# KiCad board main_VCO_board.kicad_pcb
title: Josh Ox Ribbon Synth Main VCO board; date: 2022-06-20; rev: 0; note: creativecommons.org/licences/by/4.0; note: licence: CC by 4.0; note: Author: Jordan Aceto
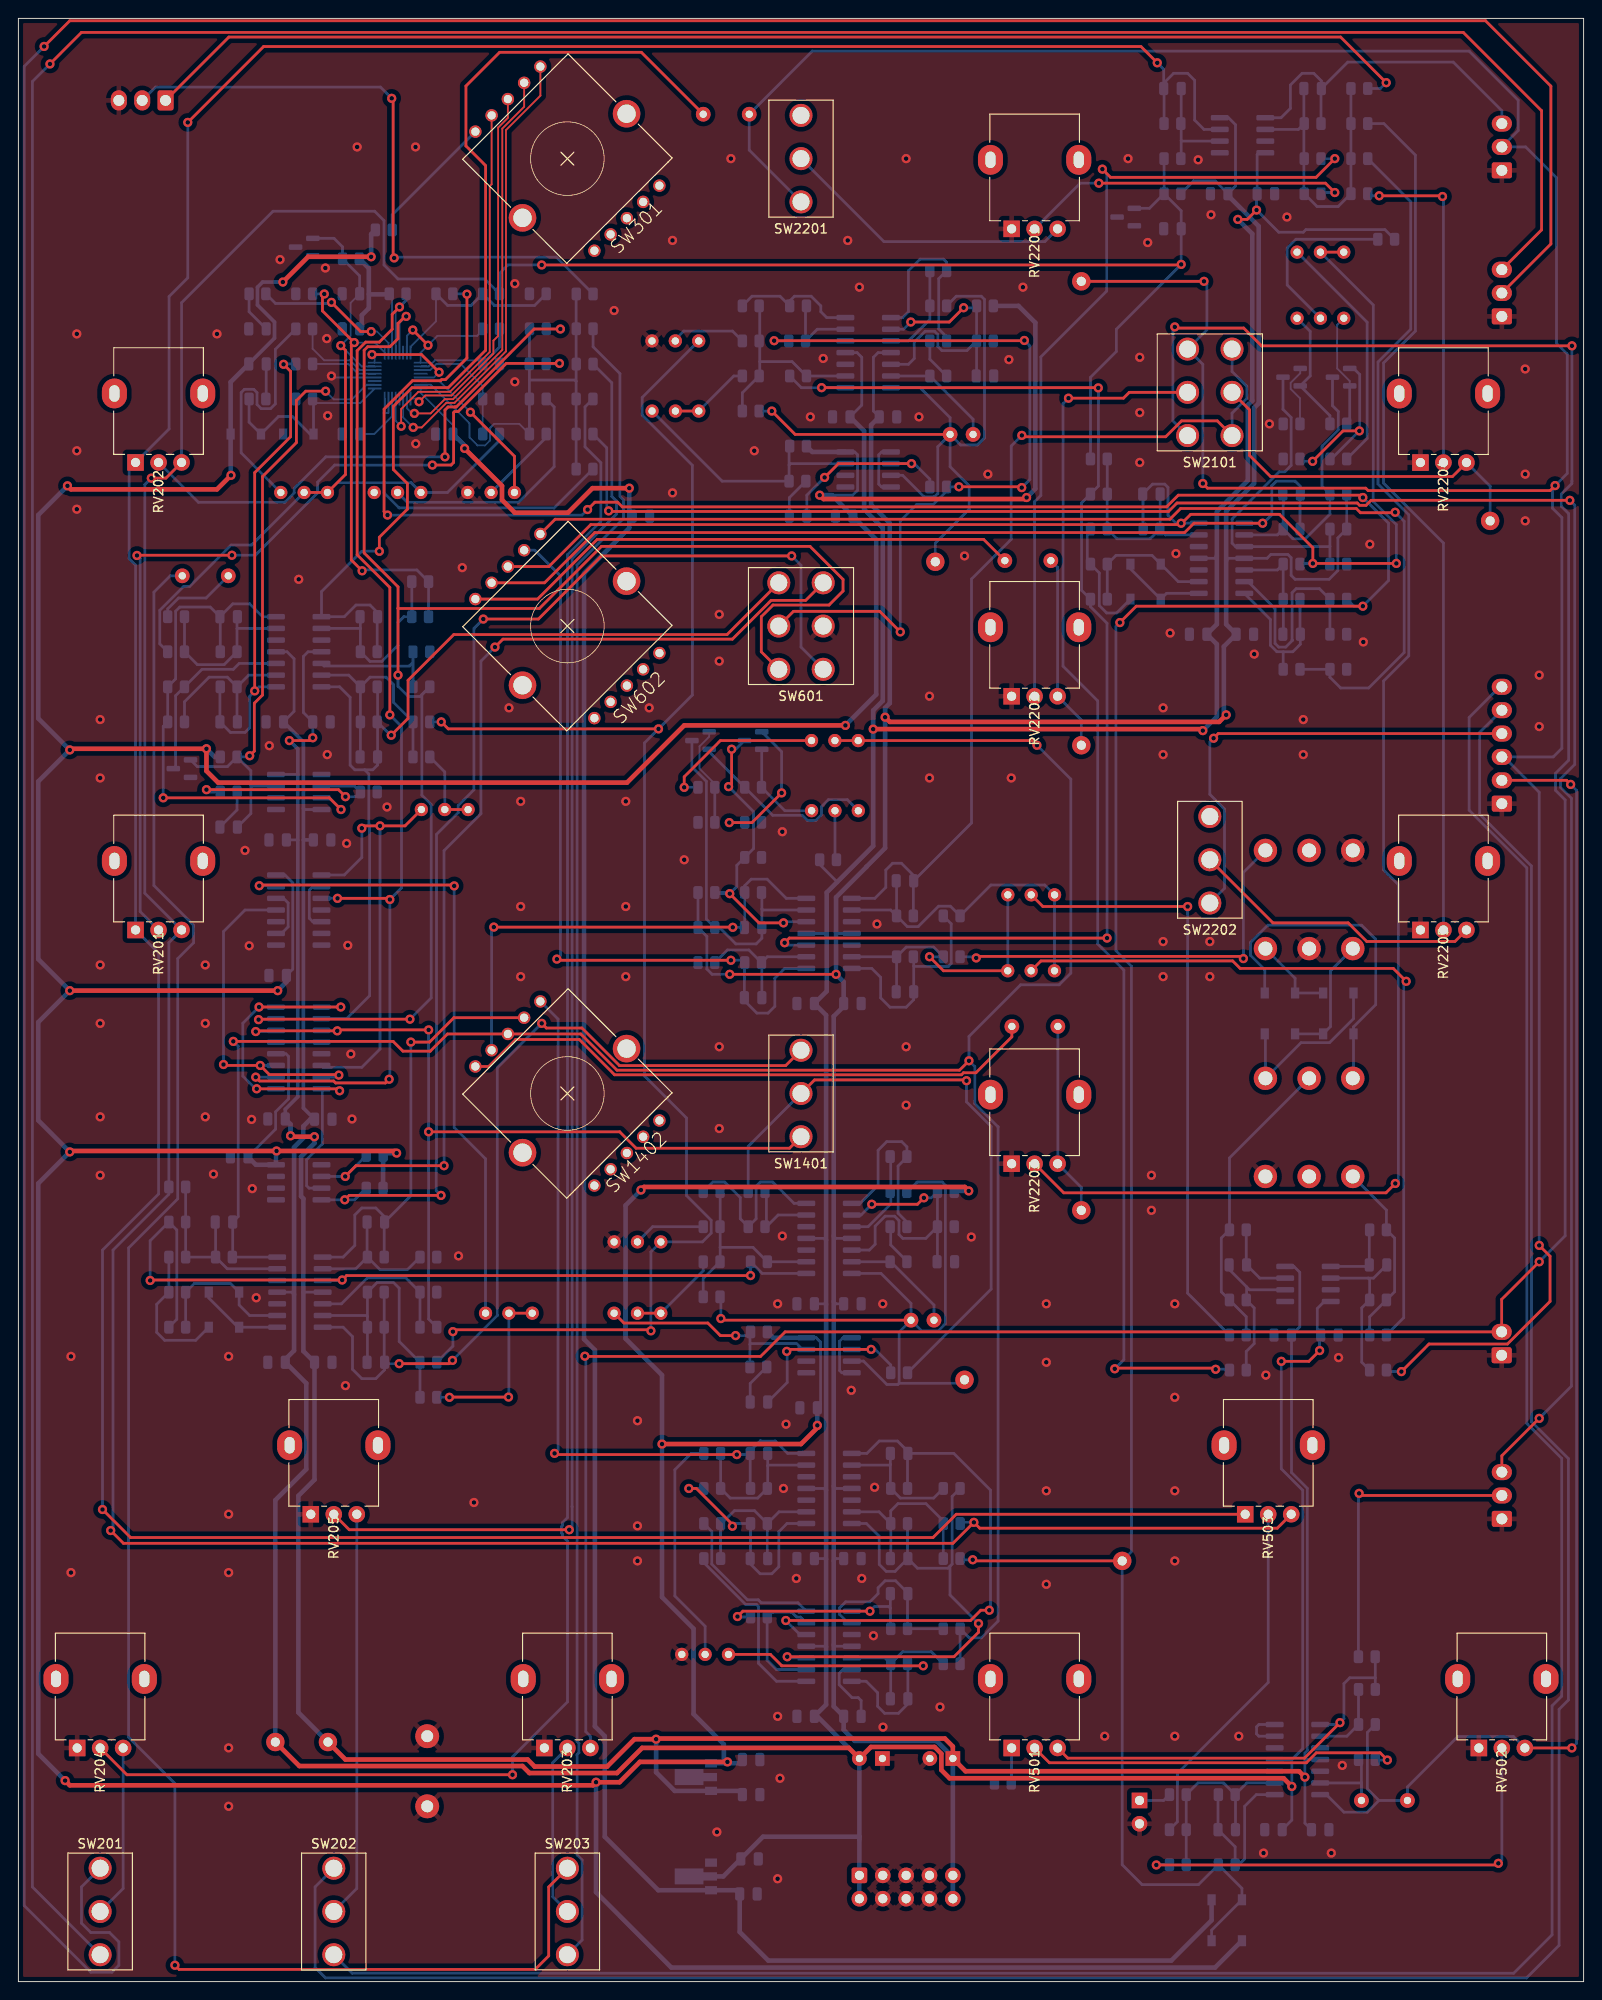
[diagram p0: board, top side]
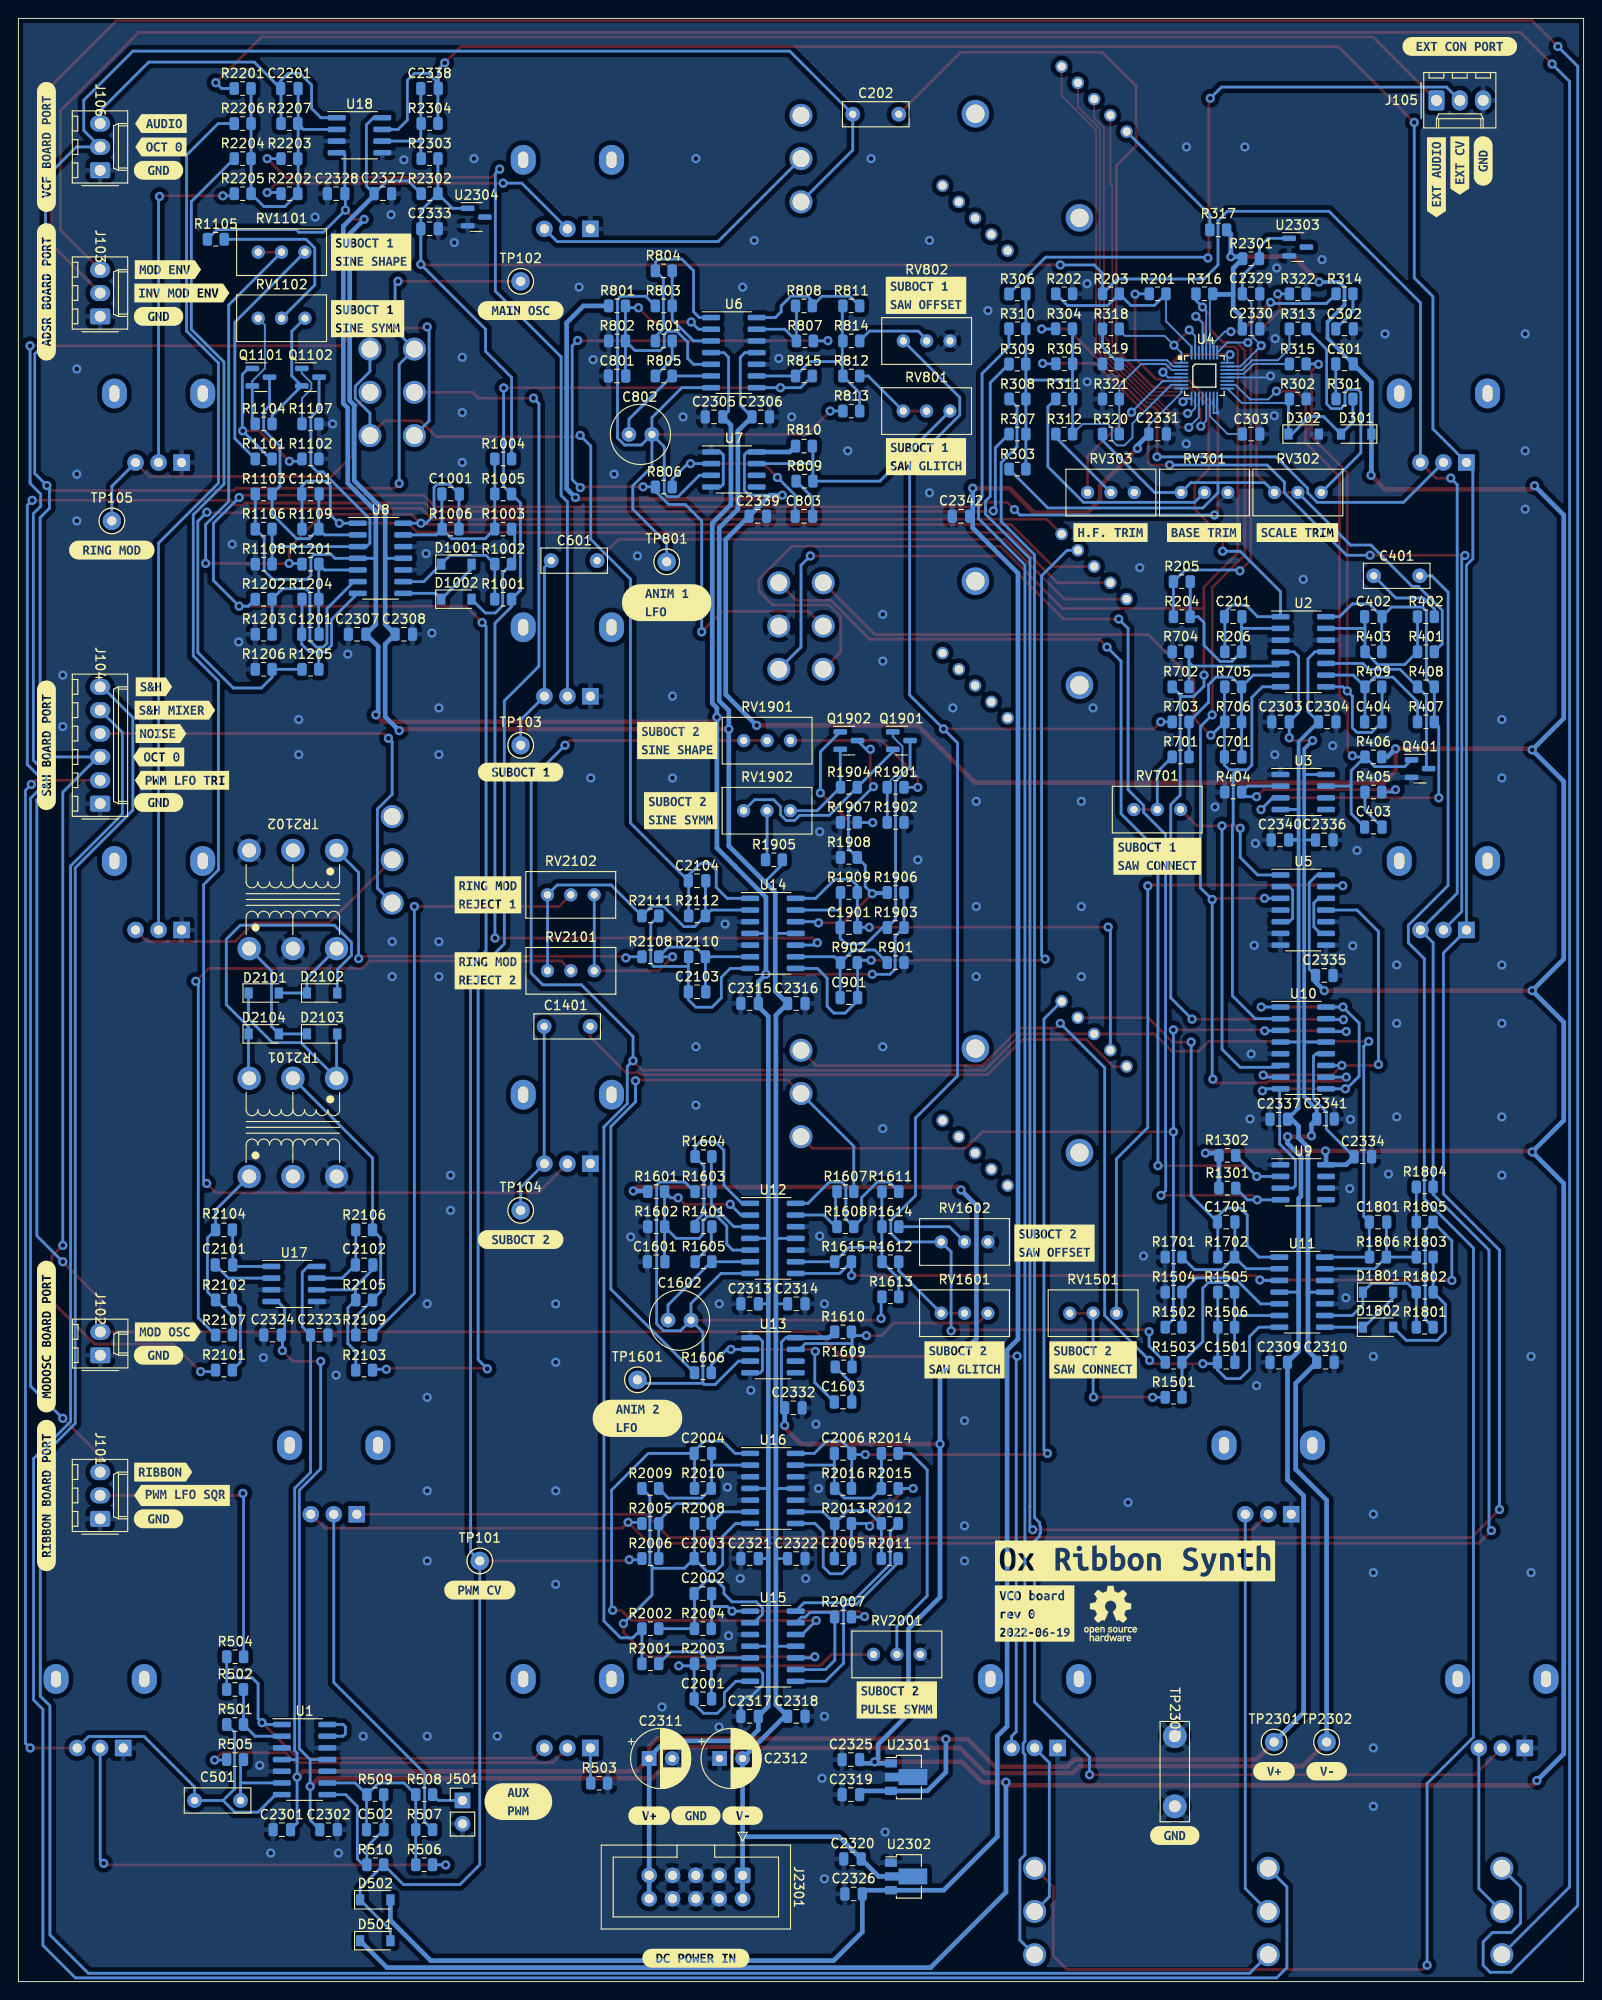
[diagram p1: board, bottom side, seen from below]

Outline 170.18 x 213.36 mm; copper layers: Top, Bottom. Coordinates in mm from the lower left corner of the outline.
Outline path: 0,213.36 170.18,213.36 170.18,0 0,0 0,213.36
Stack: Top 0.035mm / dielectric 1.51mm FR4 er 4.5 / Bottom 0.035mm

## Placement (name value [footprint] x y rotation side)
C201  C  [C_0805_2012Metric]  38.1 148.34 0 bottom
C202  220n  [C_Rect_L7.0mm_W2.5mm_P5.00mm]  74.46 202.95 0 bottom
C301  10u  [C_0805_2012Metric]  26 175.81 180 bottom
C302  10N  [C_0805_2012Metric]  26 179.62 180 bottom
C303  3N9 COG  [C_0805_2012Metric]  36.16 168.19 180 bottom
C401  100n  [C_Rect_L7.0mm_W2.5mm_P5.00mm]  22.82 152.78 180 bottom
C402  100p  [C_0805_2012Metric]  22.86 148.34 0 bottom
C403  100p  [C_0805_2012Metric]  22.86 125.48 180 bottom
C404  100p  [C_0805_2012Metric]  22.86 136.91 0 bottom
C501  220n  [C_Rect_L7.0mm_W2.5mm_P5.00mm]  146.02 19.68 0 bottom
C502  100p  [C_0805_2012Metric]  131.38 16.51 180 bottom
C601  220n  [C_Rect_L7.0mm_W2.5mm_P5.00mm]  107.25 154.43 0 bottom
C701  10p  [C_0805_2012Metric]  38.1 133.1 0 bottom
C801  10u  [C_0805_2012Metric]  105.09 174.5 0 bottom
C802  10u BP  [C_Radial_D6.3mm_H5.0mm_P2.50mm]  103.8 168.15 180 bottom
C803  100p  [C_0805_2012Metric]  84.77 159.26 180 bottom
C901  C  [C_0805_2012Metric]  79.88 106.93 180 bottom
C1001  C  [C_0805_2012Metric]  123.19 161.67 180 bottom
C1101  C  [C_0805_2012Metric]  138.43 161.67 0 bottom
C1201  10p  [C_0805_2012Metric]  138.43 146.43 0 bottom
C1401  220n  [C_Rect_L7.0mm_W2.5mm_P5.00mm]  108.02 103.81 0 bottom
C1501  10p  [C_0805_2012Metric]  38.86 67.31 0 bottom
C1601  10u  [C_0805_2012Metric]  100.84 78.23 0 bottom
C1602  10u BP  [C_Radial_D6.3mm_H5.0mm_P2.50mm]  99.55 71.88 180 bottom
C1603  100p  [C_0805_2012Metric]  80.52 62.99 180 bottom
C1701  C  [C_0805_2012Metric]  38.86 82.55 0 bottom
C1801  C  [C_0805_2012Metric]  22.35 82.55 0 bottom
C1901  C  [C_0805_2012Metric]  79.88 114.55 180 bottom
C2001  10p  [C_0805_2012Metric]  95.76 30.73 0 bottom
C2002  10p  [C_0805_2012Metric]  95.76 42.16 180 bottom
C2003  100p  [C_0805_2012Metric]  95.76 45.97 0 bottom
C2004  100p  [C_0805_2012Metric]  95.76 57.4 0 bottom
C2005  100p  [C_0805_2012Metric]  80.52 45.97 180 bottom
C2006  100p  [C_0805_2012Metric]  80.52 57.4 180 bottom
C2101  100p  [C_0805_2012Metric]  147.83 77.89 180 bottom
C2102  100p  [C_0805_2012Metric]  132.59 77.89 0 bottom
C2103  100p  [C_0805_2012Metric]  96.39 107.57 0 bottom
C2104  100p  [C_0805_2012Metric]  96.39 119.63 0 bottom
C2201  10p  [C_0805_2012Metric]  140.72 205.74 0 bottom
C2301  100n  [C_0805_2012Metric]  141.54 16.51 0 bottom
C2302  100n  [C_0805_2012Metric]  136.46 16.51 0 bottom
C2303  100n  [C_0805_2012Metric]  32.96 136.91 0 bottom
C2304  100n  [C_0805_2012Metric]  27.88 136.91 0 bottom
C2305  100n  [C_0805_2012Metric]  94.55 170.05 0 bottom
C2306  100n  [C_0805_2012Metric]  89.47 170.05 0 bottom
C2307  100n  [C_0805_2012Metric]  133.35 146.43 0 bottom
C2308  100n  [C_0805_2012Metric]  128.27 146.43 0 bottom
C2309  100n  [C_0805_2012Metric]  33.15 67.31 0 bottom
C2310  100n  [C_0805_2012Metric]  28.07 67.31 0 bottom
C2311  10u  [CP_Radial_D6.3mm_P2.50mm]  101.6 24.25 180 bottom
C2312  10u  [CP_Radial_D6.3mm_P2.50mm]  93.94 24.25 180 bottom
C2313  100n  [C_0805_2012Metric]  90.68 73.66 0 bottom
C2314  100n  [C_0805_2012Metric]  85.6 73.66 0 bottom
C2315  100n  [C_0805_2012Metric]  90.68 106.3 0 bottom
C2316  100n  [C_0805_2012Metric]  85.6 106.3 0 bottom
C2317  100n  [C_0805_2012Metric]  90.68 28.83 0 bottom
C2318  100n  [C_0805_2012Metric]  85.6 28.83 0 bottom
C2319  470n  [C_0805_2012Metric]  79.67 20.32 0 bottom
C2320  470n  [C_0805_2012Metric]  79.5 13.33 180 bottom
C2321  100n  [C_0805_2012Metric]  90.68 45.97 0 bottom
C2322  100n  [C_0805_2012Metric]  85.6 45.97 0 bottom
C2323  100n  [C_0805_2012Metric]  137.47 70.27 180 bottom
C2324  100n  [C_0805_2012Metric]  142.55 70.27 180 bottom
C2325  100n  [C_0805_2012Metric]  79.67 24.13 0 bottom
C2326  100n  [C_0805_2012Metric]  79.38 9.52 180 bottom
C2327  100n  [C_0805_2012Metric]  130.56 194.31 180 bottom
C2328  100n  [C_0805_2012Metric]  135.64 194.31 180 bottom
C2329  100n  [C_0805_2012Metric]  36.16 183.43 180 bottom
C2330  100n  [C_0805_2012Metric]  36.16 179.62 180 bottom
C2331  100n  [C_0805_2012Metric]  46.31 168.19 0 bottom
C2332  100n  [C_0805_2012Metric]  85.92 62.36 180 bottom
C2333  100n  [C_0805_2012Metric]  125.48 190.5 180 bottom
C2334  100n  [C_0805_2012Metric]  24 89.64 180 bottom
C2335  100n  [C_0805_2012Metric]  28.19 109.35 180 bottom
C2336  100n  [C_0805_2012Metric]  28.19 124.08 180 bottom
C2337  100n  [C_0805_2012Metric]  33.15 93.73 180 bottom
C2338  100n  [C_0805_2012Metric]  125.48 205.74 0 bottom
C2339  100n  [C_0805_2012Metric]  89.79 159.26 180 bottom
C2340  100n  [C_0805_2012Metric]  33.02 124.08 180 bottom
C2341  100n  [C_0805_2012Metric]  28.07 93.75 180 bottom
C2342  100n  [C_0805_2012Metric]  67.69 159.26 180 bottom
D301  1N4148W  [D_SOD-123]  24.72 168.19 0 bottom
D302  1N4148W  [D_SOD-123]  30.44 168.19 180 bottom
D501  D_Schottky  [D_SOD-123]  131.38 4.44 180 bottom
D502  D_Schottky  [D_SOD-123]  131.38 8.89 180 bottom
D1001  1N4148W  [D_SOD-123]  122.56 154.05 180 bottom
D1002  1N4148W  [D_SOD-123]  122.56 150.24 180 bottom
D1801  1N4148W  [D_SOD-123]  22.35 74.93 180 bottom
D1802  1N4148W  [D_SOD-123]  22.35 71.12 180 bottom
D2101  BAT48ZFILM  [D_SOD-123]  143.51 107.44 180 bottom
D2102  BAT48ZFILM  [D_SOD-123]  137.16 107.44 180 bottom
D2103  BAT48ZFILM  [D_SOD-123]  137.16 103 180 bottom
D2104  BAT48ZFILM  [D_SOD-123]  143.51 103 180 bottom
J101  ribbon_port  [Molex_KK-254_AE-6410-03A_1x03_P2.54mm_Vertical]  161.29 50.29 90 bottom
J102  modosc_port  [Molex_KK-254_AE-6410-02A_1x02_P2.54mm_Vertical]  161.27 68.07 90 bottom
J103  ADSR_port  [Molex_KK-254_AE-6410-03A_1x03_P2.54mm_Vertical]  161.29 180.97 90 bottom
J104  S&H_port  [Molex_KK-254_AE-6410-06A_1x06_P2.54mm_Vertical]  161.29 128.02 90 bottom
J105  ext_con  [Molex_KK-254_AE-6410-03A_1x03_P2.54mm_Vertical]  16 204.45 180 bottom
J106  vcf_port  [Molex_KK-254_AE-6410-03A_1x03_P2.54mm_Vertical]  161.29 196.85 90 bottom
J501  aux_pwm  [PinHeader_1x02_P2.54mm_Vertical]  121.9 19.69 180 bottom
J2301  power_entry  [IDC-Header_2x05_P2.54mm_Vertical]  91.44 11.55 270 bottom
kibuzzard-62AC7A9F  G***  [kibuzzard-62AC7A9F]  48.77 45.72 180 bottom
kibuzzard-62AF4ADF  G***  [kibuzzard-62AF4ADF]  96.52 18.03 180 bottom
kibuzzard-62AF4ADF#2  G***  [kibuzzard-62AF4ADF]  154.94 196.85 180 bottom
kibuzzard-62AF4ADF#3  G***  [kibuzzard-62AF4ADF]  10.92 197.87 90 bottom
kibuzzard-62AF4ADF#4  G***  [kibuzzard-62AF4ADF]  44.45 15.88 180 bottom
kibuzzard-62AF4ADF#5  G***  [kibuzzard-62AF4ADF]  154.94 180.97 180 bottom
kibuzzard-62AF4ADF#6  G***  [kibuzzard-62AF4ADF]  154.94 50.29 180 bottom
kibuzzard-62AF4ADF#7  G***  [kibuzzard-62AF4ADF]  154.94 128.14 180 bottom
kibuzzard-62AF4ADF#8  G***  [kibuzzard-62AF4ADF]  154.94 68.07 180 bottom
kibuzzard-62AF4B86  G***  [kibuzzard-62AF4B86]  155.45 140.72 180 bottom
kibuzzard-62AF4B95  G***  [kibuzzard-62AF4B95]  153.16 138.18 180 bottom
kibuzzard-62AF4BB4  G***  [kibuzzard-62AF4BB4]  154.69 135.64 180 bottom
kibuzzard-62AF4BC9  G***  [kibuzzard-62AF4BC9]  153.92 70.61 180 bottom
kibuzzard-62AF4BDF  G***  [kibuzzard-62AF4BDF]  154.43 55.37 180 bottom
kibuzzard-62AF4C29  G***  [kibuzzard-62AF4C29]  13.46 197.36 90 bottom
kibuzzard-62AF4C42  G***  [kibuzzard-62AF4C42]  16 196.09 90 bottom
kibuzzard-62AF4C77  G***  [kibuzzard-62AF4C77]  154.69 201.93 180 bottom
kibuzzard-62AF4C86  G***  [kibuzzard-62AF4C86]  154.94 133.1 180 bottom
kibuzzard-62AF4C86#2  G***  [kibuzzard-62AF4C86]  154.69 199.39 180 bottom
kibuzzard-62AF4CA7  G***  [kibuzzard-62AF4CA7]  152.4 130.56 180 bottom
kibuzzard-62AF4CDD  G***  [kibuzzard-62AF4CDD]  152.4 52.83 180 bottom
kibuzzard-62AF4D2D  G***  [kibuzzard-62AF4D2D]  167.13 52.83 90 bottom
kibuzzard-62AF4D5F  G***  [kibuzzard-62AF4D5F]  167.13 183.64 90 bottom
kibuzzard-62AF4D40  G***  [kibuzzard-62AF4D40]  167.13 134.37 90 bottom
kibuzzard-62AF4D77  G***  [kibuzzard-62AF4D77]  167.13 199.39 90 bottom
kibuzzard-62AF4D92  G***  [kibuzzard-62AF4D92]  13.46 210.31 180 bottom
kibuzzard-62AF7A04  G***  [kibuzzard-62AF7A04]  59.69 40 180 bottom
kibuzzard-62AF7B29  G***  [kibuzzard-62AF7B29]  41.28 157.48 180 bottom
kibuzzard-62AF7B45  G***  [kibuzzard-62AF7B45]  51.44 157.48 180 bottom
kibuzzard-62AF7B57  G***  [kibuzzard-62AF7B57]  31.12 157.48 180 bottom
kibuzzard-62AF7BF6  G***  [kibuzzard-62AF7BF6]  46.35 122.3 180 bottom
kibuzzard-62AF7C0F  G***  [kibuzzard-62AF7C0F]  53.34 67.56 180 bottom
kibuzzard-62AF7C4F  G***  [kibuzzard-62AF7C4F]  57.53 80.26 180 bottom
kibuzzard-62AF7C6F  G***  [kibuzzard-62AF7C6F]  67.31 67.56 180 bottom
kibuzzard-62AF7C97  G***  [kibuzzard-62AF7C97]  98.55 134.87 180 bottom
kibuzzard-62AF7CA9  G***  [kibuzzard-62AF7CA9]  98.17 127.25 180 bottom
kibuzzard-62AF7CE8  G***  [kibuzzard-62AF7CE8]  132.21 180.72 180 bottom
kibuzzard-62AF7D4C  G***  [kibuzzard-62AF7D4C]  71.5 165.73 180 bottom
kibuzzard-62AF7D08  G***  [kibuzzard-62AF7D08]  131.83 187.96 180 bottom
kibuzzard-62AF7D9E  G***  [kibuzzard-62AF7D9E]  119.13 109.85 180 bottom
kibuzzard-62AF7D35  G***  [kibuzzard-62AF7D35]  71.5 183.26 180 bottom
kibuzzard-62AF7D77  G***  [kibuzzard-62AF7D77]  74.68 30.61 180 bottom
kibuzzard-62AF7D91  G***  [kibuzzard-62AF7D91]  119.13 118.11 180 bottom
kibuzzard-62AF794D  G***  [kibuzzard-62AF794D]  96.52 2.54 180 bottom
kibuzzard-62AF7971  G***  [kibuzzard-62AF7971]  101.6 18.03 180 bottom
kibuzzard-62AF7971#2  G***  [kibuzzard-62AF7971]  33.66 22.86 180 bottom
kibuzzard-62AF7983  G***  [kibuzzard-62AF7983]  91.44 18.03 180 bottom
kibuzzard-62AF7983#2  G***  [kibuzzard-62AF7983]  27.94 22.86 180 bottom
kibuzzard-62B06A0C  G***  [kibuzzard-62B06A0C]  115.82 19.56 180 bottom
kibuzzard-62B8B2A5  G***  [kibuzzard-62B8B2A5]  153.92 186.05 180 bottom
kibuzzard-62B8B20F  G***  [kibuzzard-62B8B20F]  167.13 70.1 90 bottom
kibuzzard-62B8B280  G***  [kibuzzard-62B8B280]  152.4 183.51 180 bottom
kibuzzard-62B057A7  G***  [kibuzzard-62B057A7]  160.02 155.57 180 bottom
kibuzzard-62B062C4  G***  [kibuzzard-62B062C4]  99.69 149.86 180 bottom
kibuzzard-62B0579A  G***  [kibuzzard-62B0579A]  115.57 80.64 180 bottom
kibuzzard-62B0634B  G***  [kibuzzard-62B0634B]  102.87 61.21 180 bottom
kibuzzard-62B05771  G***  [kibuzzard-62B05771]  115.57 181.61 180 bottom
kibuzzard-62B05783  G***  [kibuzzard-62B05783]  115.57 131.44 180 bottom
kibuzzard-62B05837  G***  [kibuzzard-62B05837]  120.02 42.54 180 bottom
Q401  2N7002  [SOT-23]  17.78 131.83 180 bottom
Q1101  MMBT3904  [SOT-23]  143.81 174.37 180 bottom
Q1102  MMBT3904  [SOT-23]  138.43 174.37 180 bottom
Q1901  MMBT3904  [SOT-23]  74.17 134.87 180 bottom
Q1902  MMBT3904  [SOT-23]  79.88 134.87 180 bottom
R201  150k  [R_0805_2012Metric]  46.31 183.43 180 bottom
R202  56k  [R_0805_2012Metric]  56.47 183.43 180 bottom
R203  120k  [R_0805_2012Metric]  51.4 183.43 180 bottom
R204  100k  [R_0805_2012Metric]  43.68 148.34 180 bottom
R205  100k  [R_0805_2012Metric]  43.68 152.15 180 bottom
R206  200k  [R_0805_2012Metric]  38.1 144.53 0 bottom
R301  10k  [R_0805_2012Metric]  26 172 180 bottom
R302  10k  [R_0805_2012Metric]  31.07 172 180 bottom
R303  100K  [R_0805_2012Metric]  61.56 164.38 0 bottom
R304  100K  [R_0805_2012Metric]  56.49 179.63 0 bottom
R305  1m  [R_0805_2012Metric]  56.46 175.82 0 bottom
R306  100K  [R_0805_2012Metric]  61.57 183.41 0 bottom
R307  100K  [R_0805_2012Metric]  61.56 168.19 0 bottom
R308  100K  [R_0805_2012Metric]  61.56 172 0 bottom
R309  100K  [R_0805_2012Metric]  61.57 175.79 0 bottom
R310  100K  [R_0805_2012Metric]  61.57 179.63 0 bottom
R311  100k  [R_0805_2012Metric]  56.47 172 0 bottom
R312  270K  [R_0805_2012Metric]  56.47 168.19 180 bottom
R313  47K  [R_0805_2012Metric]  31.07 179.62 0 bottom
R314  270  [R_0805_2012Metric]  26 183.43 180 bottom
R315  470K  [R_0805_2012Metric]  31.07 175.81 180 bottom
R316  4k7  [R_0805_2012Metric]  41.24 183.43 180 bottom
R317  100k  [R_0805_2012Metric]  39.73 190.37 0 bottom
R318  3K9  [R_0805_2012Metric]  51.4 179.62 180 bottom
R319  4K7  [R_0805_2012Metric]  51.4 175.81 180 bottom
R320  12K  [R_0805_2012Metric]  51.4 168.19 0 bottom
R321  4K7  [R_0805_2012Metric]  51.4 172 180 bottom
R322  10k  [R_0805_2012Metric]  31.07 183.43 0 bottom
R401  100k  [R_0805_2012Metric]  17.15 144.53 180 bottom
R402  100k  [R_0805_2012Metric]  17.15 148.34 180 bottom
R403  100k  [R_0805_2012Metric]  22.86 144.53 0 bottom
R404  100  [R_0805_2012Metric]  38.1 129.29 180 bottom
R405  100k  [R_0805_2012Metric]  22.86 129.29 180 bottom
R406  10k  [R_0805_2012Metric]  22.86 133.1 180 bottom
R407  20k  [R_0805_2012Metric]  17.15 136.91 180 bottom
R408  20k  [R_0805_2012Metric]  17.15 140.72 180 bottom
R409  20k  [R_0805_2012Metric]  22.86 140.72 0 bottom
R501  100k  [R_0805_2012Metric]  146.62 27.94 0 bottom
R502  270k  [R_0805_2012Metric]  146.62 31.75 0 bottom
R503  100  [R_0805_2012Metric]  107.04 21.56 180 bottom
R504  10k  [R_0805_2012Metric]  146.61 35.31 180 bottom
R505  100k  [R_0805_2012Metric]  146.62 24.13 180 bottom
R506  220k  [R_0805_2012Metric]  126.06 12.7 0 bottom
R507  180k  [R_0805_2012Metric]  126.06 16.51 0 bottom
R508  180k  [R_0805_2012Metric]  126.06 20.32 0 bottom
R509  100k  [R_0805_2012Metric]  131.38 20.32 180 bottom
R510  1k  [R_0805_2012Metric]  131.38 12.7 180 bottom
R601  1M5  [R_0805_2012Metric]  100.01 178.31 180 bottom
R701  180k  [R_0805_2012Metric]  43.81 133.1 180 bottom
R702  200k  [R_0805_2012Metric]  43.81 140.72 180 bottom
R703  200k  [R_0805_2012Metric]  43.81 136.91 180 bottom
R704  100k  [R_0805_2012Metric]  43.81 144.53 0 bottom
R705  100k  [R_0805_2012Metric]  38.1 140.72 0 bottom
R706  100k  [R_0805_2012Metric]  38.1 136.91 0 bottom
R801  8k2  [R_0805_2012Metric]  105.09 182.12 180 bottom
R802  2k7  [R_0805_2012Metric]  105.09 178.31 0 bottom
R803  10k  [R_0805_2012Metric]  100.01 182.12 0 bottom
R804  120k  [R_0805_2012Metric]  100.01 185.93 0 bottom
R805  100k  [R_0805_2012Metric]  100.01 174.5 180 bottom
R806  1k  [R_0805_2012Metric]  100.01 162.43 180 bottom
R807  100k  [R_0805_2012Metric]  84.67 178.31 0 bottom
R808  100k  [R_0805_2012Metric]  84.77 182.12 180 bottom
R809  100k  [R_0805_2012Metric]  84.71 163.07 180 bottom
R810  1k  [R_0805_2012Metric]  84.77 166.88 0 bottom
R811  100k  [R_0805_2012Metric]  79.63 182.12 0 bottom
R812  180k  [R_0805_2012Metric]  79.63 174.5 0 bottom
R813  100k  [R_0805_2012Metric]  79.63 170.69 0 bottom
R814  200k  [R_0805_2012Metric]  79.63 178.31 0 bottom
R815  100k  [R_0805_2012Metric]  84.77 174.5 180 bottom
R901  33k  [R_0805_2012Metric]  74.8 110.74 0 bottom
R902  100k  [R_0805_2012Metric]  79.88 110.74 180 bottom
R1001  15k  [R_0805_2012Metric]  117.47 150.24 180 bottom
R1002  15k  [R_0805_2012Metric]  117.47 154.05 0 bottom
R1003  7k5  [R_0805_2012Metric]  117.47 157.86 180 bottom
R1004  120k  [R_0805_2012Metric]  117.47 165.48 180 bottom
R1005  15k  [R_0805_2012Metric]  117.47 161.67 180 bottom
R1006  120k  [R_0805_2012Metric]  123.19 157.86 0 bottom
R1101  27k  [R_0805_2012Metric]  143.51 165.48 180 bottom
R1102  2k2  [R_0805_2012Metric]  138.43 165.48 180 bottom
R1103  10k  [R_0805_2012Metric]  143.51 161.67 180 bottom
R1104  390  [R_0805_2012Metric]  143.51 169.29 180 bottom
R1105  18k  [R_0805_2012Metric]  148.72 189.36 0 bottom
R1106  10k  [R_0805_2012Metric]  143.51 157.86 180 bottom
R1107  2k2  [R_0805_2012Metric]  138.43 169.29 180 bottom
R1108  12k  [R_0805_2012Metric]  143.51 154.05 180 bottom
R1109  12k  [R_0805_2012Metric]  138.43 157.86 0 bottom
R1201  10k  [R_0805_2012Metric]  138.43 154.05 180 bottom
R1202  R  [R_0805_2012Metric]  143.51 150.24 180 bottom
R1203  R  [R_0805_2012Metric]  143.51 146.43 0 bottom
R1204  10M  [R_0805_2012Metric]  138.43 150.24 0 bottom
R1205  2k2  [R_0805_2012Metric]  138.43 142.62 0 bottom
R1206  2k2  [R_0805_2012Metric]  143.51 142.62 180 bottom
R1301  10k  [R_0805_2012Metric]  38.74 86.23 180 bottom
R1302  10k  [R_0805_2012Metric]  38.74 89.79 180 bottom
R1401  2M2  [R_0805_2012Metric]  95.69 82.04 180 bottom
R1501  180k  [R_0805_2012Metric]  44.58 63.5 180 bottom
R1502  200k  [R_0805_2012Metric]  44.58 71.12 180 bottom
R1503  200k  [R_0805_2012Metric]  44.58 67.31 180 bottom
R1504  100k  [R_0805_2012Metric]  44.58 74.93 0 bottom
R1505  100k  [R_0805_2012Metric]  38.86 74.93 0 bottom
R1506  100k  [R_0805_2012Metric]  38.86 71.12 0 bottom
R1601  8k2  [R_0805_2012Metric]  100.84 85.85 180 bottom
R1602  2k7  [R_0805_2012Metric]  100.84 82.04 0 bottom
R1603  10k  [R_0805_2012Metric]  95.69 85.85 0 bottom
R1604  120k  [R_0805_2012Metric]  95.69 89.66 0 bottom
R1605  100k  [R_0805_2012Metric]  95.69 78.23 180 bottom
R1606  1k  [R_0805_2012Metric]  95.76 66.17 180 bottom
R1607  100k  [R_0805_2012Metric]  80.26 85.85 0 bottom
R1608  100k  [R_0805_2012Metric]  80.26 82.04 180 bottom
R1609  100k  [R_0805_2012Metric]  80.45 66.8 180 bottom
R1610  1k  [R_0805_2012Metric]  80.52 70.61 0 bottom
R1611  100k  [R_0805_2012Metric]  75.37 85.85 0 bottom
R1612  180k  [R_0805_2012Metric]  75.37 78.23 0 bottom
R1613  100k  [R_0805_2012Metric]  75.37 74.42 0 bottom
R1614  200k  [R_0805_2012Metric]  75.37 82.04 0 bottom
R1615  100k  [R_0805_2012Metric]  80.52 78.23 180 bottom
R1701  33k  [R_0805_2012Metric]  44.58 78.74 180 bottom
R1702  100k  [R_0805_2012Metric]  38.86 78.74 0 bottom
R1801  15k  [R_0805_2012Metric]  17.27 71.12 180 bottom
R1802  15k  [R_0805_2012Metric]  17.27 74.93 0 bottom
R1803  7k5  [R_0805_2012Metric]  17.27 78.74 180 bottom
R1804  120k  [R_0805_2012Metric]  17.27 86.36 180 bottom
R1805  15k  [R_0805_2012Metric]  17.27 82.55 180 bottom
R1806  120k  [R_0805_2012Metric]  22.35 78.74 180 bottom
R1901  27k  [R_0805_2012Metric]  74.8 129.79 0 bottom
R1902  2k2  [R_0805_2012Metric]  74.8 125.98 180 bottom
R1903  10k  [R_0805_2012Metric]  74.8 114.55 0 bottom
R1904  390  [R_0805_2012Metric]  79.88 129.79 0 bottom
R1905  18k  [R_0805_2012Metric]  88.03 121.92 180 bottom
R1906  10k  [R_0805_2012Metric]  74.8 118.36 0 bottom
R1907  2k2  [R_0805_2012Metric]  79.88 125.98 0 bottom
R1908  12k  [R_0805_2012Metric]  79.88 122.17 180 bottom
R1909  12k  [R_0805_2012Metric]  79.88 118.36 180 bottom
R2001  10k  [R_0805_2012Metric]  101.47 34.54 180 bottom
R2002  100k  [R_0805_2012Metric]  101.47 38.35 180 bottom
R2003  10M  [R_0805_2012Metric]  95.76 34.54 0 bottom
R2004  100k  [R_0805_2012Metric]  95.76 38.35 180 bottom
R2005  200k  [R_0805_2012Metric]  101.47 49.78 180 bottom
R2006  200k  [R_0805_2012Metric]  101.47 45.97 180 bottom
R2007  2k2  [R_0805_2012Metric]  80.52 39.62 0 bottom
R2008  100k  [R_0805_2012Metric]  95.76 49.78 0 bottom
R2009  100k  [R_0805_2012Metric]  101.47 53.59 180 bottom